# KiCad board data-center-ddr5-tester.kicad_pcb (continued)
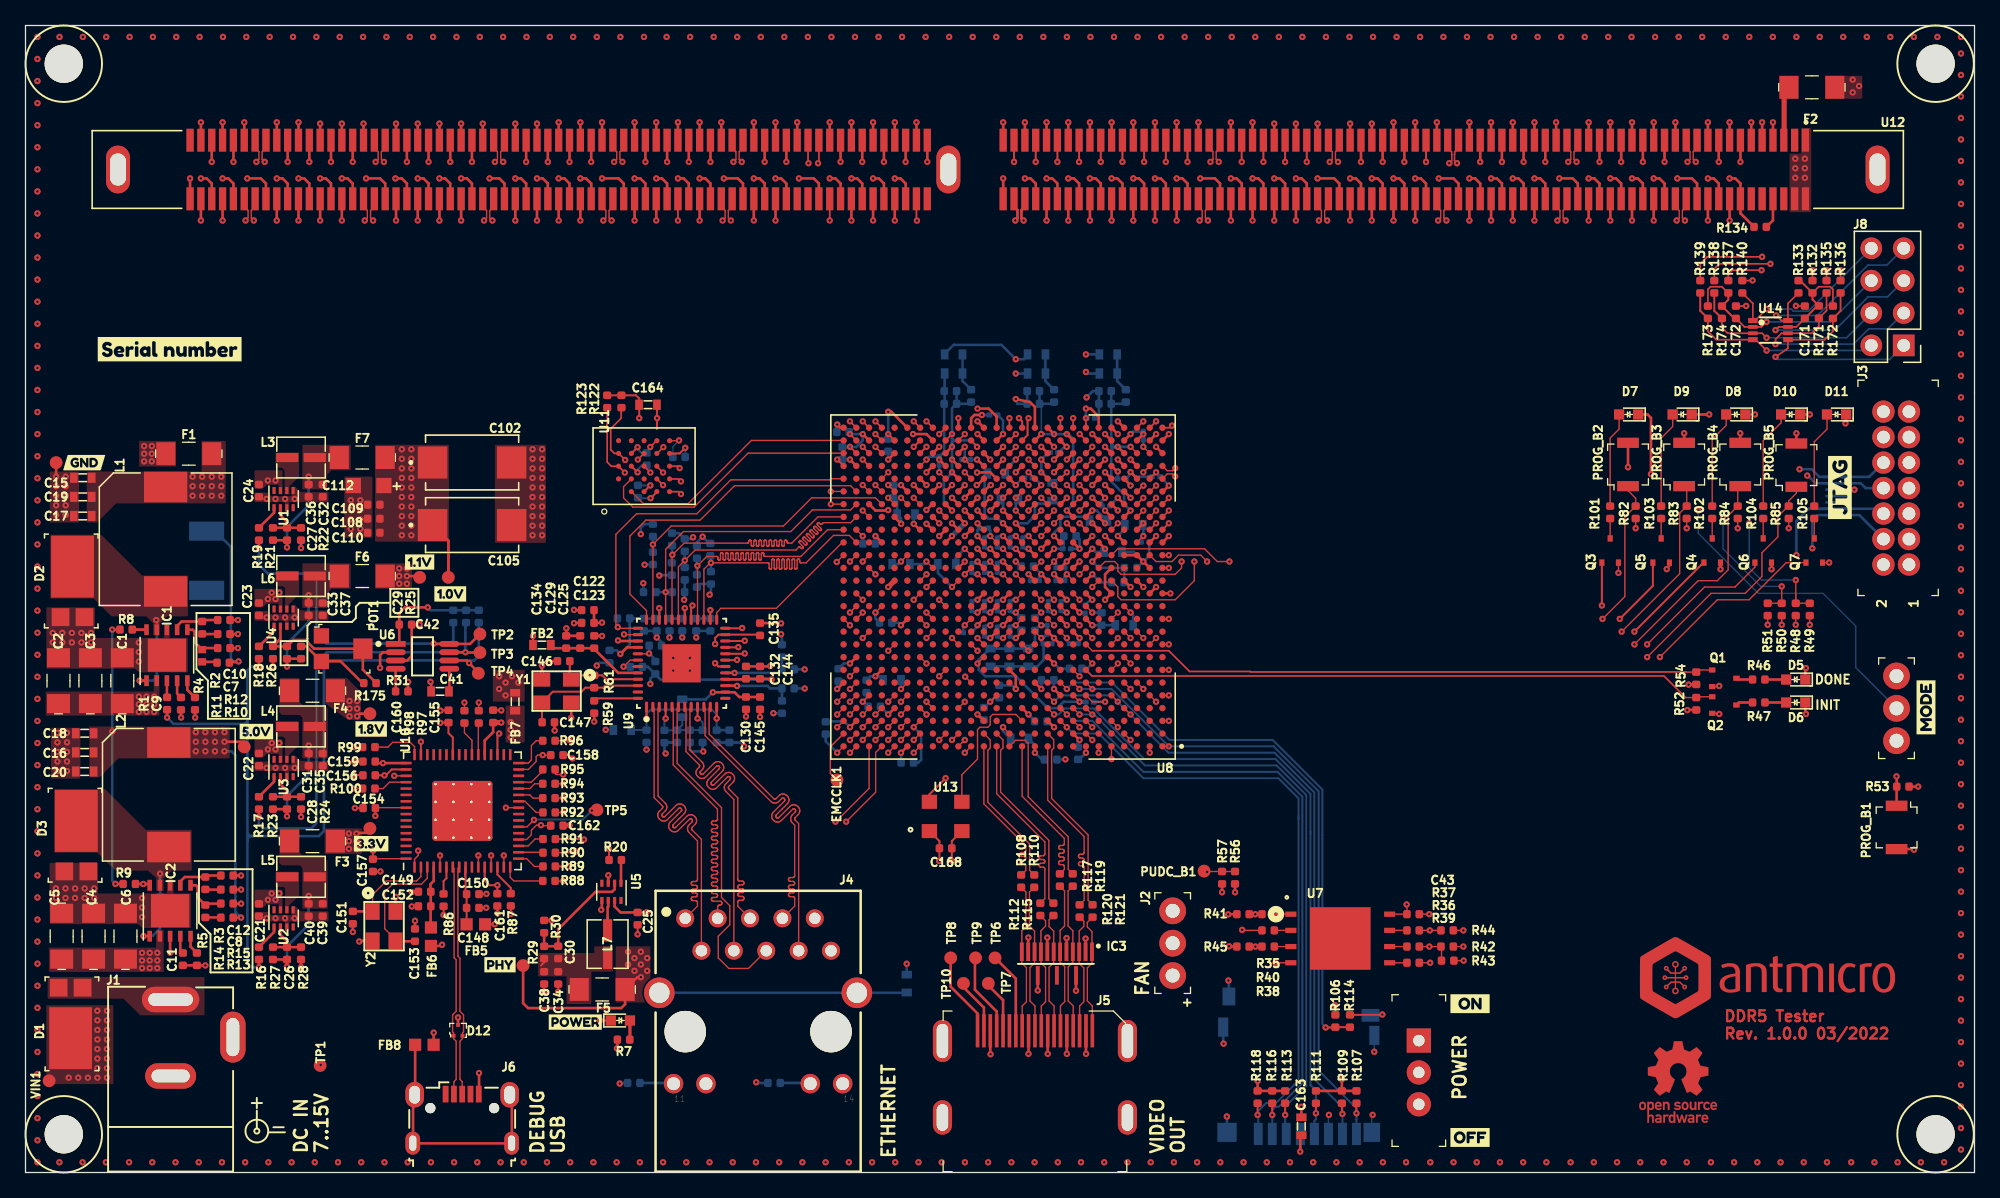
[diagram p0: board, top side]
## Routing (per net, layer and track width the routed paths; a pad name or vN(x,y) marks a point on that pad's centre or on a via; arc(x,y) is an arc through that point) (continued)
DQS5_A_N: length 77.6
  Top w0.1: U12.156 130.2,75.78 129.9,75.48 129.9,74.9 v1(130.1,74.7)
  Top w0.11: U8.A17 v1(73.64,33.94)
  In9.Cu w0.102: v1(130.1,74.7) 129.89,74.49 129.89,73.98 94.3,38.39 76.3,38.39 73.25,35.34 73.25,34.33 v1(73.64,33.94)
DQS5_A_P: length 77.6
  Top w0.1: v1(129.45,74.7) 129.65,74.9 129.65,75.48 129.35,75.78 U12.157
  Top w0.11: U8.B17 v1(72.64,33.94)
  In9.Cu w0.102: v1(129.45,74.7) 129.66,74.49 129.66,74.07 94.2,38.61 76.2,38.61 73.02,35.43 73.02,34.33 v1(72.64,33.94)
DQS5_B_N: length 57.1
  Top w0.1: v1(45.95,74.7) 45.75,74.9 45.75,75.48 46.05,75.78 U12.249
  Top w0.15: U8.R17 v1(73.64,47.94)
  In9.Cu w0.102: v1(45.95,74.7) 45.74,74.49 45.74,72.42 45.84,72.32 45.89,72.26 45.92,72.2 45.93,72.13 45.93,72.06 45.92,72 45.89,71.93 45.84,71.88 45.7,71.74 45.69,71.72 45.68,71.7 45.67,71.68 45.67,71.65 45.68,71.63 45.69,71.61 45.7,71.59 45.72,71.58 45.74,71.57 45.76,71.56 45.78,71.56 45.81,71.57 45.83,71.58 45.84,71.59 46.42,72.17 46.47,72.21 46.54,72.24 46.6,72.26 46.67,72.26 46.74,72.24 46.8,72.21 46.86,72.17 46.88,72.14 46.93,72.09 46.96,72.03 46.97,71.96 46.97,71.89 46.96,71.82 46.93,71.76 46.88,71.71 46.31,71.13 46.29,71.11 46.28,71.09 46.28,71.07 46.28,71.05 46.28,71.03 46.29,71 46.31,70.99 46.33,70.97 46.35,70.96 46.37,70.96 46.39,70.96 46.41,70.96 46.43,70.97 46.45,70.99 47.03,71.56 47.08,71.6 47.14,71.63 47.21,71.65 47.28,71.65 47.35,71.63 47.41,71.6 47.46,71.56 47.49,71.53 47.53,71.48 47.56,71.42 47.58,71.35 47.58,71.28 47.56,71.21 47.53,71.15 47.49,71.1 46.92,70.52 46.9,70.51 46.89,70.49 46.89,70.46 46.89,70.44 46.89,70.42 46.9,70.4 46.92,70.38 46.93,70.37 46.95,70.36 46.98,70.35 47,70.35 47.02,70.36 47.04,70.37 47.06,70.38 47.63,70.95 47.69,71 47.75,71.03 47.82,71.04 47.89,71.04 47.95,71.03 48.02,71 48.07,70.95 48.1,70.93 48.14,70.87 48.17,70.81 48.19,70.74 48.19,70.67 48.17,70.61 48.14,70.55 48.1,70.49 47.52,69.92 47.51,69.9 47.5,69.88 47.49,69.86 47.49,69.83 47.5,69.81 47.51,69.79 47.52,69.77 47.54,69.76 47.56,69.75 47.58,69.74 47.61,69.74 47.63,69.75 47.65,69.76 47.67,69.77 48.24,70.35 48.29,70.39 48.36,70.42 48.42,70.44 48.49,70.44 48.56,70.42 48.62,70.39 48.68,70.35 48.7,70.32 48.75,70.27 48.78,70.2 48.79,70.14 48.79,70.07 48.78,70 48.75,69.94 48.7,69.88 48.13,69.31 48.12,69.29 48.11,69.27 48.1,69.25 48.1,69.23 48.11,69.2 48.12,69.18 48.13,69.17 48.15,69.15 48.17,69.14 48.19,69.14 48.21,69.14 48.23,69.14 48.26,69.15 48.27,69.17 48.85,69.74 48.9,69.78 48.96,69.81 49.03,69.83 49.1,69.83 49.17,69.81 49.23,69.78 49.28,69.74 49.31,69.71 49.35,69.66 49.38,69.6 49.4,69.53 49.4,69.46 49.38,69.39 49.35,69.33 49.31,69.28 48.74,68.7 48.72,68.68 48.71,68.66 48.71,68.64 48.71,68.62 48.71,68.6 48.72,68.58 48.74,68.56 48.75,68.54 48.77,68.53 48.8,68.53 48.82,68.53 48.84,68.53 48.86,68.54 48.88,68.56 49.45,69.13 49.51,69.18 49.57,69.21 49.64,69.22 49.71,69.22 49.77,69.21 49.84,69.18 49.89,69.13 49.92,69.11 49.96,69.05 49.99,68.99 50.01,68.92 50.01,68.85 49.99,68.79 49.96,68.72 49.92,68.67 49.34,68.1 49.33,68.08 49.32,68.06 49.31,68.03 49.31,68.01 49.32,67.99 49.33,67.97 49.34,67.95 49.36,67.94 49.38,67.93 49.4,67.92 49.43,67.92 49.45,67.93 49.47,67.94 49.49,67.95 49.63,68.09 49.68,68.14 49.75,68.17 49.81,68.18 49.88,68.18 49.95,68.17 50.01,68.14 50.07,68.09 55.83,62.33 55.85,62.32 55.87,62.31 55.89,62.3 55.91,62.3 55.94,62.31 55.96,62.32 55.97,62.33 56.02,62.38 56.04,62.4 56.06,62.4 56.08,62.41 56.11,62.41 56.13,62.4 56.15,62.4 56.17,62.38 56.18,62.36 56.19,62.34 56.2,62.32 56.2,62.3 56.19,62.28 56.18,62.25 56.17,62.24 56.12,62.19 56.1,62.17 56.09,62.15 56.09,62.13 56.09,62.1 56.09,62.08 56.1,62.06 56.12,62.04 68.55,49.61 70.55,49.61 72.61,47.55 73.25,47.55 v1(73.64,47.94)
DQS5_B_P: length 57.1
  Top w0.1: v1(45.3,74.7) 45.5,74.9 45.5,75.48 45.2,75.78 U12.250
  Top w0.15: U8.R16 v1(73.64,46.94)
  In9.Cu w0.102: v1(73.64,46.94) 73.25,47.33 72.51,47.33 70.45,49.39 68.45,49.39 49.92,67.92 49.9,67.93 49.88,67.94 49.86,67.95 49.84,67.95 49.81,67.94 49.79,67.93 49.78,67.92 49.63,67.78 49.58,67.74 49.52,67.71 49.45,67.69 49.38,67.69 49.31,67.71 49.25,67.74 49.2,67.78 49.17,67.81 49.13,67.86 49.1,67.92 49.08,67.99 49.08,68.06 49.1,68.13 49.13,68.19 49.17,68.24 49.74,68.82 49.76,68.83 49.77,68.85 49.77,68.88 49.77,68.9 49.77,68.92 49.76,68.94 49.74,68.96 49.73,68.97 49.71,68.98 49.68,68.99 49.66,68.99 49.64,68.98 49.62,68.97 49.6,68.96 49.03,68.39 48.97,68.34 48.91,68.31 48.84,68.3 48.77,68.3 48.71,68.31 48.64,68.34 48.59,68.39 48.56,68.41 48.52,68.47 48.49,68.53 48.47,68.6 48.47,68.67 48.49,68.73 48.52,68.79 48.56,68.85 49.14,69.42 49.15,69.44 49.16,69.46 49.17,69.48 49.17,69.51 49.16,69.53 49.15,69.55 49.14,69.57 49.12,69.58 49.1,69.59 49.08,69.6 49.05,69.6 49.03,69.59 49.01,69.58 48.99,69.57 48.42,68.99 48.37,68.95 48.3,68.92 48.24,68.9 48.17,68.9 48.1,68.92 48.04,68.95 47.98,68.99 47.96,69.02 47.91,69.07 47.88,69.14 47.87,69.2 47.87,69.27 47.88,69.34 47.91,69.4 47.96,69.46 48.53,70.03 48.54,70.05 48.55,70.07 48.56,70.09 48.56,70.11 48.55,70.14 48.54,70.16 48.53,70.17 48.51,70.19 48.49,70.2 48.47,70.2 48.45,70.2 48.43,70.2 48.4,70.19 48.39,70.17 47.81,69.6 47.76,69.56 47.7,69.53 47.63,69.51 47.56,69.51 47.49,69.53 47.43,69.56 47.38,69.6 47.35,69.63 47.31,69.68 47.28,69.74 47.26,69.81 47.26,69.88 47.28,69.95 47.31,70.01 47.35,70.06 47.92,70.64 47.94,70.66 47.95,70.68 47.95,70.7 47.95,70.72 47.95,70.74 47.94,70.76 47.92,70.78 47.91,70.8 47.89,70.81 47.86,70.81 47.84,70.81 47.82,70.81 47.8,70.8 47.78,70.78 47.21,70.21 47.15,70.16 47.09,70.13 47.02,70.12 46.95,70.12 46.89,70.13 46.82,70.16 46.77,70.21 46.74,70.23 46.7,70.29 46.67,70.35 46.65,70.42 46.65,70.49 46.67,70.55 46.7,70.62 46.74,70.67 47.32,71.24 47.33,71.26 47.34,71.28 47.35,71.31 47.35,71.33 47.34,71.35 47.33,71.37 47.32,71.39 47.3,71.4 47.28,71.41 47.26,71.42 47.23,71.42 47.21,71.41 47.19,71.4 47.17,71.39 46.6,70.81 46.54,70.77 46.48,70.74 46.41,70.73 46.35,70.73 46.28,70.74 46.22,70.77 46.16,70.81 46.13,70.84 46.09,70.89 46.06,70.96 46.05,71.02 46.05,71.09 46.06,71.16 46.09,71.22 46.13,71.28 46.71,71.85 46.72,71.87 46.73,71.89 46.74,71.91 46.74,71.93 46.73,71.96 46.72,71.98 46.71,72 46.69,72.01 46.67,72.02 46.65,72.02 46.63,72.02 46.6,72.02 46.58,72.01 46.57,72 45.99,71.42 45.94,71.38 45.87,71.35 45.81,71.33 45.74,71.33 45.67,71.35 45.61,71.38 45.55,71.42 45.53,71.45 45.48,71.5 45.45,71.56 45.44,71.63 45.44,71.7 45.45,71.77 45.48,71.83 45.53,71.88 45.67,72.03 45.68,72.04 45.69,72.06 45.7,72.09 45.7,72.11 45.69,72.13 45.68,72.15 45.67,72.17 45.51,72.33 45.51,74.49 v1(45.3,74.7)
DQS6_A_N: length 72.7
  Top w0.1: v1(120.75,74.7) 120.55,74.9 120.55,75.48 120.85,75.78 U12.167
  Top w0.11: U8.D20 v1(70.64,35.94)
  In9.Cu w0.102: v1(120.75,74.7) 120.54,74.49 120.54,67.88 91.8,39.14 75.05,39.14 72.24,36.33 71.02,36.33 v1(70.64,35.94)
DQS6_A_P: length 72.7
  Top w0.1: v1(120.1,74.7) 120.3,74.9 120.3,75.48 120,75.78 U12.168
  Top w0.11: U8.D19 v1(70.64,36.94)
  In9.Cu w0.102: v1(70.64,36.94) 71.02,36.55 72.14,36.55 74.95,39.36 91.7,39.36 103.55,51.2 103.56,51.23 103.58,51.25 103.58,51.28 103.58,51.31 103.58,51.34 103.56,51.36 103.55,51.38 103.51,51.41 103.5,51.44 103.48,51.46 103.48,51.49 103.48,51.52 103.48,51.55 103.5,51.57 103.51,51.59 103.54,51.61 103.56,51.62 103.59,51.63 103.62,51.63 103.65,51.62 103.67,51.61 103.69,51.59 103.72,51.56 103.75,51.55 103.77,51.53 103.8,51.53 103.83,51.53 103.86,51.53 103.88,51.55 103.9,51.56 105.96,53.62 120.31,67.97 120.31,74.49 v1(120.1,74.7)
DQS6_B_N: length 61.5
  Top w0.1: U12.260 36.7,75.78 36.4,75.48 36.4,74.9 v1(36.6,74.7)
  Top w0.11: U8.P20 v1(70.64,46.94)
  In9.Cu w0.102: v1(36.6,74.7) 36.39,74.49 36.39,73.27 36.79,72.87 36.84,72.8 36.88,72.74 36.89,72.66 36.89,72.58 36.88,72.51 36.84,72.44 36.79,72.38 36.58,72.16 36.56,72.14 36.55,72.11 36.54,72.08 36.54,72.05 36.55,72.02 36.56,71.99 36.58,71.97 36.6,71.95 36.63,71.93 36.66,71.93 36.69,71.93 36.72,71.93 36.75,71.95 36.77,71.97 37.55,72.74 37.61,72.79 37.68,72.82 37.75,72.84 37.83,72.84 37.91,72.82 37.97,72.79 38.03,72.74 38.06,72.71 38.11,72.65 38.15,72.58 38.16,72.51 38.16,72.43 38.15,72.35 38.11,72.29 38.06,72.23 37.29,71.45 37.27,71.43 37.26,71.4 37.25,71.37 37.25,71.34 37.26,71.31 37.27,71.28 37.29,71.25 37.31,71.24 37.34,71.22 37.37,71.21 37.4,71.21 37.43,71.22 37.46,71.24 37.49,71.25 37.7,71.47 37.76,71.52 37.83,71.55 37.91,71.57 37.98,71.57 38.06,71.55 38.13,71.52 38.19,71.47 39.8,69.86 40.08,69.86 40.15,69.86 40.21,69.83 40.27,69.8 40.31,69.75 40.35,69.7 40.37,69.63 40.38,69.57 40.38,69.44 40.38,69.42 40.38,69.4 40.4,69.38 40.41,69.37 40.43,69.36 40.44,69.35 40.46,69.35 40.49,69.35 40.51,69.35 40.53,69.36 40.55,69.37 40.56,69.38 40.57,69.4 40.58,69.42 40.58,69.44 40.58,70.08 40.59,70.15 40.61,70.21 40.64,70.27 40.69,70.31 40.75,70.35 40.81,70.37 40.87,70.38 40.94,70.38 41.01,70.37 41.07,70.35 41.12,70.31 41.17,70.27 41.21,70.21 41.23,70.15 41.23,70.08 41.23,69.44 41.24,69.42 41.24,69.4 41.25,69.38 41.27,69.37 41.28,69.36 41.3,69.35 41.32,69.35 41.35,69.35 41.37,69.35 41.39,69.36 41.41,69.37 41.42,69.38 41.43,69.4 41.44,69.42 41.44,69.44 41.44,70.08 41.45,70.15 41.47,70.21 41.5,70.27 41.55,70.31 41.6,70.35 41.67,70.37 41.73,70.38 41.8,70.38 41.86,70.37 41.93,70.35 41.98,70.31 42.03,70.27 42.06,70.21 42.09,70.15 42.09,70.08 42.09,69.44 42.1,69.42 42.1,69.4 42.11,69.38 42.13,69.37 42.14,69.36 42.16,69.35 42.18,69.35 42.21,69.35 42.23,69.35 42.25,69.36 42.26,69.37 42.28,69.38 42.29,69.4 42.29,69.42 42.3,69.44 42.3,70.08 42.3,70.15 42.33,70.21 42.36,70.27 42.41,70.31 42.46,70.35 42.53,70.37 42.59,70.38 42.66,70.38 42.72,70.37 42.78,70.35 42.84,70.31 42.89,70.27 42.92,70.21 42.94,70.15 42.95,70.08 42.95,69.44 42.95,69.42 42.96,69.4 42.97,69.38 42.98,69.37 43,69.36 43.02,69.35 43.04,69.35 43.07,69.35 43.09,69.35 43.11,69.36 43.12,69.37 43.14,69.38 43.15,69.4 43.15,69.42 43.15,69.44 43.15,70.08 43.16,70.15 43.18,70.21 43.22,70.27 43.27,70.31 43.32,70.35 43.38,70.37 43.45,70.38 43.52,70.38 43.58,70.37 43.64,70.35 43.7,70.31 43.75,70.27 43.78,70.21 43.8,70.15 43.81,70.08 43.81,69.44 43.81,69.42 43.82,69.4 43.83,69.38 43.84,69.37 43.86,69.36 43.88,69.35 43.9,69.35 43.93,69.35 43.95,69.35 43.96,69.36 43.98,69.37 43.99,69.38 44,69.4 44.01,69.42 44.01,69.44 44.01,69.57 44.02,69.63 44.04,69.7 44.08,69.75 44.12,69.8 44.18,69.83 44.24,69.86 44.31,69.86 45.05,69.86 54.2,60.7 54.22,60.69 54.24,60.68 54.27,60.68 54.29,60.68 54.31,60.68 54.33,60.69 54.35,60.7 54.4,60.76 54.42,60.77 54.44,60.78 54.46,60.78 54.48,60.78 54.5,60.78 54.53,60.77 54.54,60.76 54.56,60.74 54.57,60.72 54.57,60.7 54.57,60.67 54.57,60.65 54.56,60.63 54.54,60.61 54.49,60.56 54.48,60.54 54.47,60.52 54.46,60.5 54.46,60.48 54.47,60.46 54.48,60.44 54.49,60.42 68.36,46.55 70.25,46.55 v1(70.64,46.94)
DQS6_B_P: length 61.5
  Top w0.1: v1(35.95,74.7) 36.15,74.9 36.15,75.48 35.85,75.78 U12.261
  Top w0.11: U8.P19 v1(70.64,45.94)
  In9.Cu w0.102: v1(70.64,45.94) 70.25,46.33 68.26,46.33 44.95,69.64 44.33,69.64 44.31,69.63 44.29,69.63 44.27,69.62 44.26,69.6 44.25,69.59 44.24,69.57 44.24,69.55 44.24,69.42 44.23,69.35 44.21,69.29 44.18,69.23 44.13,69.19 44.07,69.15 44.01,69.13 43.94,69.12 43.88,69.12 43.81,69.13 43.75,69.15 43.7,69.19 43.65,69.23 43.61,69.29 43.59,69.35 43.58,69.42 43.58,70.06 43.58,70.08 43.58,70.1 43.57,70.12 43.55,70.13 43.53,70.14 43.52,70.15 43.5,70.15 43.47,70.15 43.45,70.15 43.43,70.14 43.41,70.13 43.4,70.12 43.39,70.1 43.38,70.08 43.38,70.06 43.38,69.42 43.37,69.35 43.35,69.29 43.32,69.23 43.27,69.19 43.21,69.15 43.15,69.13 43.09,69.12 43.02,69.12 42.95,69.13 42.89,69.15 42.84,69.19 42.79,69.23 42.75,69.29 42.73,69.35 42.73,69.42 42.73,70.06 42.72,70.08 42.72,70.1 42.71,70.12 42.69,70.13 42.68,70.14 42.66,70.15 42.64,70.15 42.61,70.15 42.59,70.15 42.57,70.14 42.56,70.13 42.54,70.12 42.53,70.1 42.52,70.08 42.52,70.06 42.52,69.42 42.51,69.35 42.49,69.29 42.46,69.23 42.41,69.19 42.36,69.15 42.29,69.13 42.23,69.12 42.16,69.12 42.1,69.13 42.03,69.15 41.98,69.19 41.93,69.23 41.9,69.29 41.87,69.35 41.87,69.42 41.87,70.06 41.86,70.08 41.86,70.1 41.85,70.12 41.83,70.13 41.82,70.14 41.8,70.15 41.78,70.15 41.75,70.15 41.73,70.15 41.71,70.14 41.7,70.13 41.68,70.12 41.67,70.1 41.67,70.08 41.66,70.06 41.66,69.42 41.66,69.35 41.63,69.29 41.6,69.23 41.55,69.19 41.5,69.15 41.43,69.13 41.37,69.12 41.3,69.12 41.24,69.13 41.18,69.15 41.12,69.19 41.07,69.23 41.04,69.29 41.02,69.35 41.01,69.42 41.01,70.06 41.01,70.08 41,70.1 40.99,70.12 40.98,70.13 40.96,70.14 40.94,70.15 40.92,70.15 40.89,70.15 40.87,70.15 40.85,70.14 40.84,70.13 40.82,70.12 40.81,70.1 40.81,70.08 40.81,70.06 40.81,69.42 40.8,69.35 40.78,69.29 40.74,69.23 40.69,69.19 40.64,69.15 40.58,69.13 40.51,69.12 40.44,69.12 40.38,69.13 40.32,69.15 40.26,69.19 40.21,69.23 40.18,69.29 40.16,69.35 40.15,69.42 40.15,69.55 40.15,69.57 40.14,69.59 40.13,69.6 40.12,69.62 40.1,69.63 40.08,69.63 40.06,69.64 39.7,69.64 38.04,71.3 38.02,71.32 37.99,71.33 37.96,71.34 37.93,71.34 37.9,71.33 37.87,71.32 37.85,71.3 37.63,71.08 37.57,71.03 37.5,71 37.43,70.98 37.35,70.98 37.27,71 37.2,71.03 37.14,71.08 37.11,71.11 37.07,71.17 37.03,71.24 37.02,71.31 37.02,71.39 37.03,71.47 37.07,71.54 37.11,71.6 37.89,72.37 37.91,72.39 37.92,72.42 37.93,72.45 37.93,72.48 37.92,72.51 37.91,72.54 37.89,72.57 37.87,72.59 37.84,72.6 37.81,72.61 37.78,72.61 37.75,72.6 37.72,72.59 37.69,72.57 36.92,71.79 36.86,71.74 36.79,71.71 36.71,71.69 36.64,71.69 36.56,71.71 36.49,71.74 36.43,71.79 36.4,71.82 36.36,71.88 36.32,71.95 36.3,72.03 36.3,72.1 36.32,72.18 36.36,72.25 36.4,72.31 36.62,72.52 36.64,72.55 36.65,72.58 36.66,72.61 36.66,72.64 36.65,72.67 36.64,72.7 36.62,72.72 36.16,73.18 36.16,74.49 v1(35.95,74.7)
DQS7_A_N: length 66.6
  Top w0.1: v1(111.4,74.7) 111.2,74.9 111.2,75.48 111.5,75.78 U12.178
  Top w0.11: U8.L20 v1(70.64,42.94)
  In9.Cu w0.102: v1(111.4,74.7) 111.19,74.49 111.19,63.53 88.15,40.49 75.95,40.49 75.45,39.99 73.15,39.99 71.69,41.45 71.69,42.95 71.31,43.33 71.02,43.33 v1(70.64,42.94)
DQS7_A_P: length 66.6
  Top w0.1: v1(110.75,74.7) 110.95,74.9 110.95,75.48 110.65,75.78 U12.179
  Top w0.11: U8.L19 v1(70.64,43.94)
  In9.Cu w0.102: v1(70.64,43.94) 71.02,43.55 71.41,43.55 71.91,43.05 71.91,41.55 73.25,40.21 75.35,40.21 75.85,40.71 88.05,40.71 100.42,53.08 100.43,53.1 100.44,53.12 100.45,53.14 100.45,53.16 100.44,53.19 100.43,53.21 100.42,53.22 100.37,53.27 100.36,53.29 100.35,53.31 100.34,53.33 100.34,53.36 100.35,53.38 100.36,53.4 100.37,53.42 100.39,53.43 100.41,53.44 100.43,53.45 100.45,53.45 100.47,53.44 100.5,53.43 100.51,53.42 100.56,53.37 100.58,53.35 100.6,53.34 100.62,53.34 100.65,53.34 100.67,53.34 100.69,53.35 100.71,53.37 110.96,63.62 110.96,74.49 v1(110.75,74.7)
DQS7_B_N: length 73.2
  Top w0.1: U12.271 27.35,75.78 27.05,75.48 27.05,74.9 v1(27.25,74.7)
  Top w0.11: U8.T25 v1(64.64,47.94)
  In9.Cu w0.102: v1(27.25,74.7) 27.04,74.49 27.04,74.12 28.84,72.32 28.89,72.26 28.92,72.2 28.93,72.13 28.93,72.06 28.92,72 28.89,71.93 28.84,71.88 28.72,71.75 28.7,71.74 28.69,71.71 28.69,71.69 28.69,71.67 28.69,71.65 28.7,71.63 28.72,71.61 28.73,71.6 28.75,71.59 28.78,71.58 28.8,71.58 28.82,71.59 28.84,71.6 28.86,71.61 29.4,72.15 29.46,72.2 29.52,72.23 29.59,72.24 29.66,72.24 29.72,72.23 29.79,72.2 29.84,72.15 29.87,72.13 29.91,72.07 29.94,72.01 29.96,71.94 29.96,71.87 29.94,71.81 29.91,71.74 29.87,71.69 29.32,71.15 29.31,71.13 29.3,71.11 29.29,71.09 29.29,71.06 29.3,71.04 29.31,71.02 29.32,71 29.34,70.99 29.36,70.98 29.38,70.97 29.41,70.97 29.43,70.98 29.45,70.99 29.47,71 30.01,71.55 30.07,71.59 30.13,71.62 30.19,71.63 30.26,71.63 30.33,71.62 30.39,71.59 30.45,71.55 30.47,71.52 30.52,71.47 30.55,71.4 30.56,71.34 30.56,71.27 30.55,71.2 30.52,71.14 30.47,71.08 29.93,70.54 29.92,70.52 29.91,70.5 29.9,70.48 29.9,70.46 29.91,70.43 29.92,70.41 29.93,70.4 29.95,70.38 29.97,70.37 29.99,70.37 30.01,70.37 30.04,70.37 30.06,70.38 30.07,70.4 30.62,70.94 30.67,70.98 30.73,71.01 30.8,71.03 30.87,71.03 30.94,71.01 31,70.98 31.05,70.94 31.08,70.91 31.12,70.86 31.15,70.8 31.17,70.73 31.17,70.66 31.15,70.59 31.12,70.53 31.08,70.48 30.54,69.93 30.52,69.91 30.51,69.89 30.51,69.87 30.51,69.85 30.51,69.83 30.52,69.81 30.54,69.79 30.56,69.77 30.58,69.76 30.6,69.76 30.62,69.76 30.64,69.76 30.66,69.77 30.68,69.79 31.23,70.33 31.28,70.38 31.34,70.41 31.41,70.42 31.48,70.42 31.55,70.41 31.61,70.38 31.66,70.33 31.69,70.31 31.73,70.25 31.76,70.19 31.78,70.12 31.78,70.05 31.76,69.99 31.73,69.92 31.69,69.87 31.14,69.32 31.13,69.31 31.12,69.29 31.12,69.26 31.12,69.24 31.12,69.22 31.13,69.2 31.14,69.18 31.16,69.17 31.18,69.16 31.21,69.15 31.23,69.15 31.25,69.16 31.27,69.17 31.29,69.18 31.83,69.73 31.89,69.77 31.95,69.8 32.02,69.81 32.09,69.81 32.15,69.8 32.21,69.77 32.27,69.73 32.3,69.7 32.34,69.64 32.37,69.58 32.38,69.51 32.38,69.45 32.37,69.38 32.34,69.32 32.3,69.26 31.75,68.72 31.74,68.7 31.73,68.68 31.72,68.66 31.72,68.63 31.73,68.61 31.74,68.59 31.75,68.57 31.77,68.56 31.79,68.55 31.81,68.54 31.83,68.54 31.86,68.55 31.88,68.56 31.9,68.57 32.44,69.12 32.49,69.16 32.56,69.19 32.62,69.21 32.69,69.21 32.76,69.19 32.82,69.16 32.88,69.12 32.9,69.09 32.95,69.04 32.98,68.97 32.99,68.91 32.99,68.84 32.98,68.77 32.95,68.71 32.9,68.65 32.36,68.11 32.34,68.09 32.33,68.07 32.33,68.05 32.33,68.03 32.33,68.01 32.34,67.98 32.36,67.97 32.38,67.95 32.4,67.94 32.42,67.94 32.44,67.94 32.46,67.94 32.48,67.95 32.5,67.97 33.05,68.51 33.1,68.55 33.16,68.58 33.23,68.6 33.3,68.6 33.37,68.58 33.43,68.55 33.48,68.51 33.51,68.48 33.55,68.43 33.58,68.37 33.6,68.3 33.6,68.23 33.58,68.16 33.55,68.1 33.51,68.05 32.97,67.5 32.95,67.49 32.94,67.47 32.94,67.44 32.94,67.42 32.94,67.4 32.95,67.38 32.97,67.36 32.98,67.35 33,67.34 33.03,67.33 33.05,67.33 33.07,67.34 33.09,67.35 33.11,67.36 33.65,67.9 33.71,67.95 33.77,67.98 33.84,67.99 33.91,67.99 33.97,67.98 34.04,67.95 34.09,67.9 34.12,67.88 34.16,67.82 34.19,67.76 34.21,67.69 34.21,67.62 34.19,67.56 34.16,67.49 34.12,67.44 33.57,66.9 33.56,66.88 33.55,66.86 33.54,66.84 33.54,66.81 33.55,66.79 33.56,66.77 33.57,66.75 33.59,66.74 33.61,66.73 33.63,66.72 33.66,66.72 33.68,66.73 33.7,66.74 33.72,66.75 34.26,67.3 34.31,67.34 34.38,67.37 34.44,67.39 34.51,67.39 34.58,67.37 34.64,67.34 34.7,67.3 34.72,67.27 34.77,67.22 34.8,67.15 34.81,67.09 34.81,67.02 34.8,66.95 34.77,66.89 34.72,66.83 34.18,66.29 34.17,66.27 34.16,66.25 34.15,66.23 34.15,66.21 34.16,66.18 34.17,66.16 34.18,66.15 34.2,66.13 34.22,66.12 34.24,66.12 34.26,66.12 34.29,66.12 34.31,66.13 34.32,66.15 34.45,66.27 34.5,66.32 34.57,66.35 34.63,66.36 34.7,66.36 34.77,66.35 34.83,66.32 34.89,66.27 42.8,58.36 43.74,58.36 43.77,58.37 43.79,58.38 43.82,58.39 43.84,58.41 43.85,58.43 43.86,58.46 43.86,58.49 43.86,58.53 43.87,58.56 43.88,58.59 43.89,58.61 43.91,58.63 43.94,58.65 43.96,58.66 43.99,58.66 44.02,58.66 44.05,58.65 44.07,58.63 44.09,58.61 44.1,58.59 44.11,58.56 44.12,58.53 44.12,58.49 44.12,58.46 44.13,58.43 44.14,58.41 44.16,58.39 44.19,58.38 44.22,58.37 44.24,58.36 44.27,58.37 44.3,58.38 44.32,58.39 44.34,58.41 44.36,58.43 44.37,58.46 44.37,58.49 44.37,58.53 44.37,58.56 44.38,58.59 44.4,58.61 44.42,58.63 44.44,58.65 44.47,58.66 44.5,58.66 44.52,58.66 44.55,58.65 44.58,58.63 44.6,58.61 44.61,58.59 44.62,58.56 44.62,58.53 44.62,58.49 44.63,58.46 44.64,58.43 44.65,58.41 44.67,58.39 44.69,58.38 44.72,58.37 44.75,58.36 52.55,58.36 64.05,46.86 64.7,46.86 65.02,47.18 65.02,47.55 v1(64.64,47.94)
DQS7_B_P: length 73.2
  Top w0.1: v1(26.6,74.7) 26.8,74.9 26.8,75.48 26.5,75.78 U12.272
  Top w0.11: U8.T24 v1(65.64,47.94)
  In9.Cu w0.102: v1(65.64,47.94) 65.25,47.55 65.25,47.09 64.8,46.64 63.95,46.64 52.45,58.14 42.7,58.14 34.74,66.1 34.72,66.11 34.7,66.12 34.68,66.13 34.66,66.13 34.64,66.12 34.61,66.11 34.6,66.1 34.47,65.97 34.42,65.93 34.35,65.9 34.29,65.88 34.22,65.88 34.15,65.9 34.09,65.93 34.03,65.97 34.01,66 33.96,66.05 33.93,66.12 33.92,66.18 33.92,66.25 33.93,66.32 33.96,66.38 34.01,66.44 34.55,66.98 34.56,67 34.57,67.02 34.58,67.04 34.58,67.06 34.57,67.09 34.56,67.11 34.55,67.12 34.53,67.14 34.51,67.15 34.49,67.15 34.47,67.15 34.45,67.15 34.42,67.14 34.41,67.12 33.86,66.58 33.81,66.54 33.75,66.51 33.68,66.49 33.61,66.49 33.54,66.51 33.48,66.54 33.43,66.58 33.4,66.61 33.36,66.66 33.33,66.72 33.31,66.79 33.31,66.86 33.33,66.93 33.36,66.99 33.4,67.04 33.94,67.59 33.96,67.6 33.97,67.63 33.97,67.65 33.97,67.67 33.97,67.69 33.96,67.71 33.94,67.73 33.93,67.74 33.91,67.75 33.88,67.76 33.86,67.76 33.84,67.75 33.82,67.74 33.8,67.73 33.26,67.19 33.2,67.14 33.14,67.11 33.07,67.1 33,67.1 32.94,67.11 32.87,67.14 32.82,67.19 32.79,67.21 32.75,67.27 32.72,67.33 32.7,67.4 32.7,67.47 32.72,67.53 32.75,67.6 32.79,67.65 33.34,68.19 33.35,68.21 33.36,68.23 33.37,68.25 33.37,68.28 33.36,68.3 33.35,68.32 33.34,68.34 33.32,68.35 33.3,68.36 33.28,68.37 33.25,68.37 33.23,68.36 33.21,68.35 33.19,68.34 32.65,67.79 32.59,67.75 32.53,67.72 32.47,67.71 32.4,67.71 32.33,67.72 32.27,67.75 32.21,67.79 32.19,67.82 32.14,67.87 32.11,67.94 32.1,68 32.1,68.07 32.11,68.14 32.14,68.2 32.19,68.26 32.73,68.8 32.74,68.82 32.75,68.84 32.76,68.86 32.76,68.88 32.75,68.91 32.74,68.93 32.73,68.94 32.71,68.96 32.69,68.97 32.67,68.97 32.65,68.97 32.62,68.97 32.6,68.96 32.59,68.94 32.04,68.4 31.99,68.36 31.93,68.33 31.86,68.31 31.79,68.31 31.72,68.33 31.66,68.36 31.61,68.4 31.58,68.43 31.54,68.48 31.51,68.54 31.49,68.61 31.49,68.68 31.51,68.75 31.54,68.81 31.58,68.86 32.12,69.41 32.14,69.43 32.15,69.45 32.15,69.47 32.15,69.49 32.15,69.51 32.14,69.53 32.12,69.55 32.1,69.57 32.08,69.58 32.06,69.58 32.04,69.58 32.02,69.58 32,69.57 31.98,69.55 31.43,69.01 31.38,68.96 31.32,68.93 31.25,68.92 31.18,68.92 31.11,68.93 31.05,68.96 31,69.01 30.97,69.03 30.93,69.09 30.9,69.15 30.88,69.22 30.88,69.29 30.9,69.35 30.93,69.42 30.97,69.47 31.52,70.02 31.53,70.03 31.54,70.05 31.54,70.08 31.54,70.1 31.54,70.12 31.53,70.14 31.52,70.16 31.5,70.17 31.48,70.18 31.45,70.19 31.43,70.19 31.41,70.18 31.39,70.17 31.37,70.16 30.83,69.61 30.77,69.57 30.71,69.54 30.64,69.53 30.57,69.53 30.51,69.54 30.45,69.57 30.39,69.61 30.36,69.64 30.32,69.7 30.29,69.76 30.28,69.83 30.28,69.89 30.29,69.96 30.32,70.02 30.36,70.08 30.91,70.62 30.92,70.64 30.93,70.66 30.94,70.68 30.94,70.71 30.93,70.73 30.92,70.75 30.91,70.77 30.89,70.78 30.87,70.79 30.85,70.8 30.83,70.8 30.8,70.79 30.78,70.78 30.76,70.77 30.22,70.22 30.17,70.18 30.1,70.15 30.04,70.13 29.97,70.13 29.9,70.15 29.84,70.18 29.78,70.22 29.76,70.25 29.71,70.3 29.68,70.37 29.67,70.43 29.67,70.5 29.68,70.57 29.71,70.63 29.76,70.69 30.3,71.23 30.32,71.25 30.33,71.27 30.33,71.29 30.33,71.31 30.33,71.33 30.32,71.36 30.3,71.37 30.28,71.39 30.26,71.4 30.24,71.4 30.22,71.4 30.2,71.4 30.18,71.39 30.16,71.37 29.61,70.83 29.56,70.79 29.5,70.76 29.43,70.74 29.36,70.74 29.29,70.76 29.23,70.79 29.18,70.83 29.15,70.86 29.11,70.91 29.08,70.97 29.06,71.04 29.06,71.11 29.08,71.18 29.11,71.24 29.15,71.29 29.69,71.84 29.71,71.85 29.72,71.87 29.72,71.9 29.72,71.92 29.72,71.94 29.71,71.96 29.69,71.98 29.68,71.99 29.66,72 29.63,72.01 29.61,72.01 29.59,72 29.57,71.99 29.55,71.98 29.01,71.44 28.95,71.39 28.89,71.36 28.82,71.35 28.75,71.35 28.69,71.36 28.62,71.39 28.57,71.44 28.54,71.46 28.5,71.52 28.47,71.58 28.45,71.65 28.45,71.72 28.47,71.78 28.5,71.85 28.54,71.9 28.67,72.03 28.68,72.04 28.69,72.06 28.7,72.09 28.7,72.11 28.69,72.13 28.68,72.15 28.67,72.17 26.81,74.03 26.81,74.49 v1(26.6,74.7)
DQS8_A_N: length 53.5
  Top w0.1: v1(102.05,74.7) 101.85,74.9 101.85,75.48 102.15,75.78 U12.189
  Top w0.11: U8.J16 v1(74.64,40.94)
  In9.Cu w0.102: v1(74.64,40.94) 75.02,41.33 75.21,41.33 75.35,41.19 84.55,41.19 85.61,42.25 85.61,44.2 101.84,60.43 101.84,74.49 v1(102.05,74.7)
DQS8_A_P: length 53.5
  Top w0.1: v1(101.4,74.7) 101.6,74.9 101.6,75.48 101.3,75.78 U12.190
  Top w0.11: U8.J15 v1(74.64,41.94)
  In9.Cu w0.102: v1(74.64,41.94) 75.02,41.55 75.31,41.55 75.45,41.41 84.45,41.41 85.39,42.35 85.39,44.3 95.05,53.95 95.06,53.97 95.07,53.99 95.07,54.02 95.07,54.04 95.07,54.06 95.06,54.08 95.05,54.1 94.99,54.15 94.98,54.17 94.97,54.19 94.97,54.21 94.97,54.23 94.97,54.25 94.98,54.28 94.99,54.29 95.01,54.31 95.03,54.32 95.05,54.32 95.08,54.32 95.1,54.32 95.12,54.31 95.14,54.29 95.19,54.24 95.21,54.23 95.23,54.22 95.25,54.21 95.27,54.21 95.29,54.22 95.31,54.23 95.33,54.24 101.61,60.52 101.61,74.49 v1(101.4,74.7)
DQS8_B_N: length 77.3
  Top w0.1: v1(17.9,74.7) 17.7,74.9 17.7,75.48 18,75.78 U12.282
  Top w0.11: U8.L25 v1(65.64,43.94)
  In9.Cu w0.102: v1(17.9,74.7) 17.69,74.49 17.69,74.22 18.8,73.11 18.91,73.11 18.97,73.11 19.04,73.08 19.1,73.05 19.15,73 19.18,72.94 19.21,72.87 19.21,72.8 19.21,72.6 19.22,72.58 19.22,72.56 19.24,72.54 19.25,72.52 19.27,72.51 19.29,72.5 19.32,72.5 19.34,72.5 19.36,72.51 19.38,72.52 19.4,72.54 19.41,72.56 19.42,72.58 19.42,72.6 19.42,73.41 19.43,73.48 19.45,73.55 19.49,73.61 19.53,73.66 19.59,73.69 19.66,73.72 19.73,73.72 19.76,73.72 19.83,73.72 19.9,73.69 19.96,73.66 20.01,73.61 20.04,73.55 20.07,73.48 20.07,73.41 20.07,72.6 20.08,72.58 20.08,72.56 20.1,72.54 20.11,72.52 20.13,72.51 20.15,72.5 20.17,72.5 20.2,72.5 20.22,72.51 20.24,72.52 20.25,72.54 20.27,72.56 20.27,72.58 20.28,72.6 20.28,73.41 20.28,73.48 20.31,73.55 20.34,73.61 20.39,73.66 20.45,73.69 20.52,73.72 20.59,73.72 20.62,73.72 20.69,73.72 20.76,73.69 20.82,73.66 20.86,73.61 20.9,73.55 20.92,73.48 20.93,73.41 20.93,72.6 20.93,72.58 20.94,72.56 20.95,72.54 20.97,72.52 20.99,72.51 21.01,72.5 21.03,72.5 21.06,72.5 21.08,72.51 21.1,72.52 21.11,72.54 21.12,72.56 21.13,72.58 21.13,72.6 21.13,73.41 21.14,73.48 21.17,73.55 21.2,73.61 21.25,73.66 21.31,73.69 21.37,73.72 21.44,73.72 21.48,73.72 21.55,73.72 21.62,73.69 21.67,73.66 21.72,73.61 21.76,73.55 21.78,73.48 21.79,73.41 21.79,72.6 21.79,72.58 21.8,72.56 21.81,72.54 21.83,72.52 21.85,72.51 21.87,72.5 21.89,72.5 21.91,72.5 21.94,72.51 21.96,72.52 21.97,72.54 21.98,72.56 21.99,72.58 21.99,72.6 21.99,73.41 22,73.48 22.02,73.55 22.06,73.61 22.11,73.66 22.17,73.69 22.23,73.72 22.3,73.72 22.34,73.72 22.41,73.72 22.47,73.69 22.53,73.66 22.58,73.61 22.62,73.55 22.64,73.48 22.65,73.41 22.65,72.6 22.65,72.58 22.66,72.56 22.67,72.54 22.69,72.52 22.71,72.51 22.73,72.5 22.75,72.5 22.77,72.5 22.79,72.51 22.81,72.52 22.83,72.54 22.84,72.56 22.85,72.58 22.85,72.6 22.85,73.41 22.86,73.48 22.88,73.55 22.92,73.61 22.97,73.66 23.03,73.69 23.09,73.72 23.16,73.72 23.2,73.72 23.27,73.72 23.33,73.69 23.39,73.66 23.44,73.61 23.48,73.55 23.5,73.48 23.51,73.41 23.51,72.6 23.51,72.58 23.52,72.56 23.53,72.54 23.55,72.52 23.56,72.51 23.59,72.5 23.61,72.5 23.63,72.5 23.65,72.51 23.67,72.52 23.69,72.54 23.7,72.56 23.71,72.58 23.71,72.6 23.71,73.41 23.72,73.48 23.74,73.55 23.78,73.61 23.83,73.66 23.89,73.69 23.95,73.72 24.02,73.72 24.06,73.72 24.13,73.72 24.19,73.69 24.25,73.66 24.3,73.61 24.34,73.55 24.36,73.48 24.37,73.41 24.37,72.6 24.37,72.58 24.38,72.56 24.39,72.54 24.4,72.52 24.42,72.51 24.44,72.5 24.47,72.5 24.49,72.5 24.51,72.51 24.53,72.52 24.55,72.54 24.56,72.56 24.57,72.58 24.57,72.6 24.57,72.8 24.58,72.87 24.6,72.94 24.64,73 24.69,73.05 24.74,73.08 24.81,73.11 24.88,73.11 25.8,73.11 42.8,56.11 53.8,56.11 65.25,44.66 65.25,44.33 v1(65.64,43.94)